# KiCad board MXKeyboard.kicad_pcb (continued)
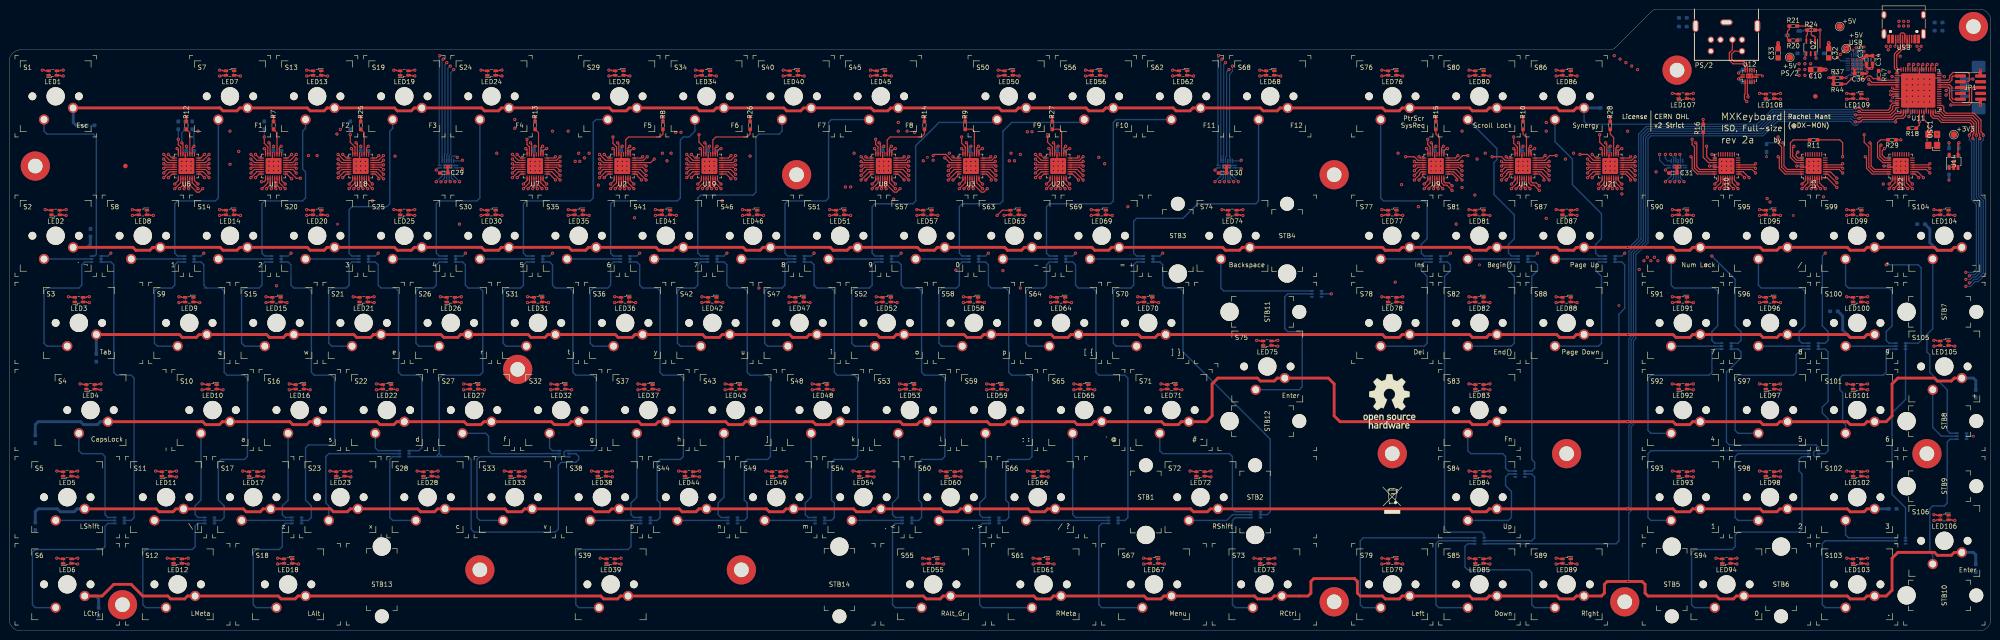
[diagram p0: board, top side]
## Routing (per net, layer and track width the routed paths; a pad name or vN(x,y) marks a point on that pad's centre or on a via; arc(x,y) is an arc through that point) (continued)
  Bottom w0.254: v1(366.01,98.17) 365.24,98.95 U17.11
  Bottom w0.305: v2(429.26,42.55) D37.2 ; D37.2 D37.3 ; D37.2 D37.1
/Column decode/DCOL1: length 509.7
  Top w0.254: U11.62 419.94,112.57 420.5,112.01 421.39,112.01 422.27,111.13 428.37,111.13 428.88,110.62 428.88,109.09 428.37,108.59 v1(428.37,108.33)
  Route6 w0.254: v1(350.77,125.73) 350.77,125.1 351.79,124.08 351.79,114.55 354.58,111.76 360.68,111.76 361.31,111.13 361.31,104.78 v1(360.68,104.14)
  Route10 w0.254: v1(350.77,125.73) 351.28,125.73 351.54,125.98 358.14,125.98 359.66,124.46 359.66,117.22 358.77,116.33 358.77,85.6 359.79,84.58 359.79,82.68 360.3,82.17 v1(360.3,80.9)
  Route12 w0.254: v1(94.11,125.73) 94.36,125.98 264.03,125.98 v1(264.29,125.73) 264.54,125.98 350.01,125.98 350.27,125.73 v1(350.77,125.73) ; v1(360.3,80.9) 360.3,80.39 359.79,79.88 359.79,78.49 360.43,77.85 426.59,77.85 427.1,78.36 v1(427.61,78.36)
  Bottom w0.254: v1(427.61,78.36) 429.26,78.36 429.9,78.99 429.9,93.22 428.88,94.23 428.88,106.81 428.37,107.32 v1(428.37,108.33) ; U15.1 93.98,101.88 93.98,125.6 v1(94.11,125.73) ; U16.1 264.16,101.88 264.16,125.6 v1(264.29,125.73) ; v1(360.68,104.14) 360.68,102.87 361.83,101.72 U17.1
/Column decode/DCOL2: length 503.7
  Top w0.254: U11.63 420.44,112.83 420.75,112.52 421.64,112.52 422.53,111.63 428.62,111.63 429.39,110.87 429.39,108.84 429.13,108.59 v1(429.13,107.57)
  Route6 w0.254: v1(352.04,124.97) 352.42,124.59 352.42,114.81 354.84,112.4 360.93,112.4 361.95,111.38 v1(361.95,104.14)
  Route10 w0.254: v1(352.04,124.97) 352.55,125.48 357.89,125.48 359.16,124.21 359.16,117.48 358.27,116.59 358.27,85.34 359.28,84.33 359.28,82.42 359.54,82.17 v1(359.54,81.66)
  Route12 w0.254: v1(94.87,124.97) 95.38,125.48 263.4,125.48 263.91,124.97 v1(265.05,124.97) 265.56,125.48 349.76,125.48 350.27,124.97 v1(352.04,124.97) ; v1(359.54,81.66) 359.54,80.52 359.28,80.26 359.28,78.23 360.17,77.34 426.97,77.34 427.23,77.6 v1(428.37,77.6)
  Bottom w0.254: v1(428.37,77.6) 428.62,77.85 429.51,77.85 430.4,78.74 430.4,93.47 429.39,94.49 429.39,107.32 v1(429.13,107.57) ; U15.2 94.64,103.49 94.61,103.51 94.61,124.71 v1(94.87,124.97) ; U16.2 264.81,103.49 264.79,103.51 264.79,124.71 v1(265.05,124.97) ; v1(361.95,104.14) 361.95,103.25 362.48,102.72 U17.2
/Column decode/DCOL3: length 501.3
  Top w0.254: U11.64 420.94,113.34 421.13,113.16 421.77,113.16 422.78,112.14 428.88,112.14 429.9,111.13 v1(429.9,108.33)
  Route6 w0.254: v1(353.31,124.21) 353.31,123.7 353.06,123.44 353.06,115.06 355.09,113.03 361.19,113.03 362.58,111.63 362.58,104.65 v1(363.09,104.14)
  Route10 w0.254: v1(358.77,80.9) 358.77,84.07 357.76,85.09 357.76,116.84 358.65,117.73 358.65,123.95 357.63,124.97 353.82,124.97 353.31,124.46 v1(353.31,124.21)
  Route12 w0.254: v1(95.63,124.21) 96.39,124.97 263.14,124.97 263.91,124.21 v1(265.81,124.21) 266.57,124.97 349.5,124.97 350.27,124.21 v1(353.31,124.21) ; v1(358.77,80.9) 358.77,77.98 359.92,76.84 v1(427.61,76.84)
  Bottom w0.254: v1(429.9,108.33) 429.9,94.74 430.91,93.73 430.91,78.49 429.77,77.34 429.13,77.34 428.62,76.84 v1(427.61,76.84) ; U16.3 265.31,103.77 265.43,103.89 265.43,123.83 v1(265.81,124.21) ; v1(363.09,104.14) 363.74,103.49 U17.3 ; v1(95.63,124.21) 95.25,123.83 95.25,104.37 95.14,104.26 U15.3
/Column decode/DCOL4: length 501.3
  Top w0.254: U11.1 421.96,114.36 422.15,114.17 422.15,113.54 423.04,112.65 429.13,112.65 430.4,111.38 430.4,108.84 430.66,108.59 v1(430.66,107.57)
  Route6 w0.254: v1(354.58,123.44) 353.69,122.56 353.69,115.32 355.35,113.67 361.44,113.67 363.22,111.89 363.22,105.03 v1(364.11,104.14)
  Route10 w0.254: v1(354.58,123.44) 354.58,123.95 355.09,124.46 357.38,124.46 358.14,123.7 358.14,117.98 357.25,117.09 357.25,84.84 358.27,83.82 358.27,82.42 358.01,82.17 v1(358.01,81.66)
  Route12 w0.254: v1(96.39,123.44) 97.41,124.46 262.89,124.46 263.91,123.44 v1(267.33,123.44) 268.35,124.46 349.25,124.46 350.27,123.44 v1(354.58,123.44) ; v1(428.37,76.07) 427.23,76.07 426.97,76.33 359.66,76.33 358.27,77.72 358.27,80.26 358.01,80.52 v1(358.01,81.66)
  Bottom w0.254: v1(428.37,76.07) 428.62,76.07 429.39,76.84 430.02,76.84 431.42,78.23 431.42,93.98 430.4,95 430.4,107.32 v1(430.66,107.57) ; v1(364.11,104.14) 364.24,104.01 U17.4 ; v1(267.33,123.44) 267.33,122.3 266.7,121.67 266.7,103.63 266.81,103.52 U16.6 ; v1(96.39,123.44) 95.89,122.94 95.89,104.26 95.64,104.01 U15.4
/Column decode/DCOL5: length 501.9
  Top w0.254: U11.2 422.48,114.86 422.78,114.55 422.78,113.67 423.29,113.16 429.39,113.16 430.91,111.63 430.91,109.09 431.42,108.59 v1(431.42,108.33)
  Route6 w0.254: v1(365.12,104.14) 363.85,105.41 363.85,112.14 361.7,114.3 355.6,114.3 354.33,115.57 354.33,121.16 v1(355.85,122.68)
  Route10 w0.254: v1(357.25,80.9) 357.25,82.12 357.76,82.62 357.76,83.57 356.74,84.58 356.74,117.35 357.63,118.24 357.63,123.44 357.12,123.95 356.36,123.95 355.85,123.44 v1(355.85,122.68)
  Route12 w0.254: v1(97.15,122.68) 98.42,123.95 262.64,123.95 263.91,122.68 v1(266.57,122.68) 267.72,122.68 268.99,123.95 349,123.95 350.27,122.68 v1(355.85,122.68) ; v1(427.61,75.31) 427.1,75.31 426.59,75.82 359.41,75.82 357.76,77.47 357.76,79.88 357.25,80.39 v1(357.25,80.9)
  Bottom w0.254: v1(427.61,75.31) 428.62,75.31 429.64,76.33 430.28,76.33 431.93,77.98 431.93,94.23 430.91,95.25 430.91,106.81 431.42,107.32 v1(431.42,108.33) ; U16.4 265.81,103.51 266.06,103.76 266.06,122.17 v1(266.57,122.68) ; v1(365.12,104.14) 365.24,104.03 U17.6 ; v1(97.15,122.68) 96.52,122.05 96.52,104.14 96.14,103.76 U15.5
/Key matrix/ROW1: length 422.3
  Top w0.254: U11.46 411.65,115.36 411.1,114.81 411.1,114.3 410.59,113.79 405,113.79 404.5,114.3 v1(403.48,114.3)
  Top w0.635: S86.1 342.52,114.3 341.88,113.67 338.84,113.67 338.2,114.3 S80.1 323.47,114.3 322.83,113.67 319.79,113.67 319.15,114.3 S76.1 304.42,114.3 303.78,113.67 300.74,113.67 300.1,114.3 S68.1 277.75,114.3 277.11,113.67 274.07,113.67 273.43,114.3 S62.1 258.7,114.3 258.06,113.67 255.02,113.67 254.38,114.3 S56.1 239.65,114.3 239.01,113.67 235.97,113.67 235.33,114.3 S50.1 220.6,114.3 219.96,113.67 216.92,113.67 216.28,114.3 S45.1 192.66,114.3 192.02,113.67 188.98,113.67 188.34,114.3 S40.1 173.61,114.3 172.97,113.67 169.93,113.67 169.29,114.3 S34.1 154.56,114.3 153.92,113.67 150.88,113.67 150.24,114.3 S29.1 135.51,114.3 134.87,113.67 131.83,113.67 131.19,114.3 S24.1 107.57,114.3 106.93,113.67 103.89,113.67 103.25,114.3 S19.1 88.52,114.3 87.88,113.67 84.84,113.67 84.2,114.3 S13.1 69.47,114.3 68.83,113.67 65.79,113.67 65.15,114.3 S7.1 50.42,114.3 49.78,113.67 46.74,113.67 46.1,114.3 S1.1
  Bottom w0.254: v1(403.48,114.3) 403.22,114.3 402.84,113.92 385.19,113.92 382.02,110.74 344.81,110.74 344.17,111.38 S86.1
  Bottom w0.635: R1.2 14.64,110.49 14,111.13 14,114.3 ; S86.1 R30.1
/Key matrix/ROW2: length 527
  Top w0.254: U11.47 411.91,114.86 411.61,114.55 411.61,114.05 410.84,113.28 404.75,113.28 404.5,113.54 v1(404.24,113.54)
  Top w0.635: S2.1 27.05,83.82 27.69,83.19 30.73,83.19 31.37,83.82 S8.1 46.1,83.82 46.74,83.19 49.78,83.19 50.42,83.82 S14.1 65.15,83.82 65.79,83.19 68.83,83.19 69.47,83.82 S20.1 84.2,83.82 84.84,83.19 87.88,83.19 88.52,83.82 S25.1 103.25,83.82 103.89,83.19 106.93,83.19 107.57,83.82 S30.1 122.3,83.82 122.94,83.19 125.98,83.19 126.62,83.82 S35.1 141.35,83.82 141.99,83.19 145.03,83.19 145.67,83.82 S41.1 160.4,83.82 161.04,83.19 164.08,83.19 164.72,83.82 S46.1 179.45,83.82 180.09,83.19 183.13,83.19 183.77,83.82 S51.1 198.5,83.82 199.14,83.19 202.18,83.19 202.82,83.82 S57.1 217.55,83.82 218.19,83.19 221.23,83.19 221.87,83.82 S63.1 236.6,83.82 237.24,83.19 240.28,83.19 240.92,83.82 S69.1 265.18,83.82 265.81,83.19 268.86,83.19 269.49,83.82 S74.1 300.1,83.82 300.74,83.19 303.78,83.19 304.42,83.82 S77.1 319.15,83.82 319.79,83.19 322.83,83.19 323.47,83.82 S81.1 338.2,83.82 338.84,83.19 341.88,83.19 342.52,83.82 S87.1 v1(353.69,83.82) 363.6,83.82 364.24,83.19 367.28,83.19 367.92,83.82 S90.1 382.65,83.82 383.29,83.19 386.33,83.19 386.97,83.82 S95.1 401.7,83.82 402.34,83.19 405.38,83.19 406.02,83.82 S99.1 420.75,83.82 421.39,83.19 424.43,83.19 425.07,83.82 S104.1
  Bottom w0.254: v1(353.69,83.82) 354.08,83.82 356.11,85.85 356.11,108.59 357.76,110.24 382.27,110.24 385.44,113.41 403.1,113.41 403.22,113.54 v1(404.24,113.54)
  Bottom w0.635: 17.75,86.15 17.75,84.46 17.11,83.82 ; R31.1 419.73,87.85 419.73,84.84 421.39,83.19 424.43,83.19 425.07,83.82 S104.1 ; S2.1 17.14,83.82
/Key matrix/ROW3: length 518.3
  Top w0.254: U11.48 412.43,114.36 412.24,114.17 412.24,113.92 411.1,112.78 v1(403.48,112.78)
  Top w0.635: S3.1 37.21,64.77 37.85,64.14 40.89,64.14 41.53,64.77 S9.1 56.26,64.77 56.9,64.14 59.94,64.14 60.58,64.77 S15.1 75.31,64.77 75.95,64.14 78.99,64.14 79.63,64.77 S21.1 94.36,64.77 95,64.14 98.04,64.14 98.68,64.77 S26.1 113.41,64.77 114.05,64.14 117.09,64.14 117.73,64.77 S31.1 132.46,64.77 133.1,64.14 136.14,64.14 136.78,64.77 S36.1 151.51,64.77 152.15,64.14 155.19,64.14 155.83,64.77 S42.1 170.56,64.77 171.2,64.14 174.24,64.14 174.88,64.77 S47.1 189.61,64.77 190.25,64.14 193.29,64.14 193.93,64.77 S52.1 208.66,64.77 209.3,64.14 212.34,64.14 212.98,64.77 S58.1 227.71,64.77 228.35,64.14 231.39,64.14 232.03,64.77 S64.1 246.76,64.77 247.4,64.14 250.44,64.14 251.08,64.77 S70.1 300.1,64.77 300.74,64.14 303.78,64.14 304.42,64.77 S78.1 319.15,64.77 319.79,64.14 322.83,64.14 323.47,64.77 S82.1 338.2,64.77 338.84,64.14 341.88,64.14 342.52,64.77 S88.1 v1(353.69,64.77) 363.6,64.77 364.24,64.14 367.28,64.14 367.92,64.77 S91.1 382.65,64.77 383.29,64.14 386.33,64.14 386.97,64.77 S96.1 401.7,64.77 402.34,64.14 405.38,64.14 406.02,64.77 S100.1
  Bottom w0.254: v1(353.69,64.77) 353.95,65.02 353.95,82.93 356.62,85.6 356.62,108.33 358.01,109.73 382.52,109.73 385.7,112.9 403.1,112.9 403.22,112.78 v1(403.48,112.78)
  Bottom w0.635: R3.2 S3.1 ; S100.1 406.02,64.77 405.38,64.14 402.34,64.14 400.69,65.79 400.69,68.8 R32.1
/Key matrix/ROW4: length 585.8
  Top w0.254: U11.49 413.44,113.34 413.26,113.16 412.24,113.16 411.35,112.27 404.75,112.27 404.5,112.01 v1(404.24,112.01)
  Top w0.635: S4.1 42.29,45.72 42.93,45.09 45.97,45.09 46.61,45.72 S10.1 61.34,45.72 61.98,45.09 65.02,45.09 65.66,45.72 S16.1 80.39,45.72 81.03,45.09 84.07,45.09 84.71,45.72 S22.1 99.44,45.72 100.08,45.09 103.12,45.09 103.76,45.72 S27.1 118.49,45.72 119.13,45.09 122.17,45.09 122.81,45.72 S32.1 137.54,45.72 138.18,45.09 141.22,45.09 141.86,45.72 S37.1 156.59,45.72 157.23,45.09 160.27,45.09 160.91,45.72 S43.1 175.64,45.72 176.28,45.09 179.32,45.09 179.96,45.72 S48.1 194.69,45.72 195.33,45.09 198.37,45.09 199.01,45.72 S53.1 213.74,45.72 214.38,45.09 217.42,45.09 218.06,45.72 S59.1 232.79,45.72 233.43,45.09 236.47,45.09 237.11,45.72 S65.1 251.84,45.72 252.48,45.09 255.52,45.09 256.16,45.72 S71.1 261.62,45.72 262.89,46.99 262.89,53.98 264.16,55.25 272.8,55.25 273.43,54.61 276.48,54.61 277.11,55.25 S75.1 288.29,55.25 289.56,53.98 289.56,46.99 290.83,45.72 319.15,45.72 319.79,45.09 322.83,45.09 323.47,45.72 S83.1 v1(353.69,45.72) 363.6,45.72 364.24,45.09 367.28,45.09 367.92,45.72 S92.1 382.65,45.72 383.29,45.09 386.33,45.09 386.97,45.72 S97.1 401.7,45.72 402.34,45.09 405.38,45.09 406.02,45.72 S101.1 410.21,45.72 411.48,46.99 411.48,53.98 412.75,55.25 420.75,55.25 421.39,54.61 424.43,54.61 425.07,55.25 S105.1
  Bottom w0.254: v1(353.69,45.72) 353.95,45.97 353.95,63.88 354.46,64.39 354.46,82.68 357.12,85.34 357.12,108.08 358.27,109.22 382.78,109.22 385.95,112.4 402.84,112.4 403.22,112.01 v1(404.24,112.01)
  Bottom w0.635: R33.1 429.77,54.74 429.26,55.25 S105.1 ; S4.1 19.94,45.72 19.3,45.09 16.26,45.09 15.62,45.72 6.35,45.72 5.72,45.09 R4.2
/Key matrix/ROW5: length 559
  Top w0.254: U11.50 413.94,112.83 413.64,112.52 412.37,112.52 411.61,111.76 405,111.76 404.5,111.25 v1(403.48,111.25)
  Top w0.635: S5.1 32.13,26.67 32.77,26.04 35.81,26.04 36.45,26.67 S11.1 51.18,26.67 51.82,26.04 54.86,26.04 55.5,26.67 S17.1 70.23,26.67 70.87,26.04 73.91,26.04 74.55,26.67 S23.1 89.28,26.67 89.92,26.04 92.96,26.04 93.6,26.67 S28.1 108.33,26.67 108.97,26.04 112.01,26.04 112.65,26.67 S33.1 127.38,26.67 128.02,26.04 131.06,26.04 131.7,26.67 S38.1 146.43,26.67 147.07,26.04 150.11,26.04 150.75,26.67 S44.1 165.48,26.67 166.12,26.04 169.16,26.04 169.8,26.67 S49.1 184.53,26.67 185.17,26.04 188.21,26.04 188.85,26.67 S54.1 203.58,26.67 204.22,26.04 207.26,26.04 207.9,26.67 S60.1 222.63,26.67 223.27,26.04 226.31,26.04 226.95,26.67 S66.1 258.19,26.67 258.83,26.04 261.87,26.04 262.51,26.67 S72.1 319.15,26.67 319.79,26.04 322.83,26.04 323.47,26.67 S84.1 v1(353.69,26.67) 363.6,26.67 364.24,26.04 367.28,26.04 367.92,26.67 S93.1 382.65,26.67 383.29,26.04 386.33,26.04 386.97,26.67 S98.1 401.7,26.67 402.34,26.04 405.38,26.04 406.02,26.67 S102.1
  Bottom w0.254: v1(403.48,111.25) 403.22,111.25 402.59,111.89 386.21,111.89 383.03,108.71 358.52,108.71 357.63,107.82 357.63,85.09 354.96,82.42 354.96,64.14 354.46,63.63 354.46,45.34 353.95,44.83 353.95,26.92 v1(353.69,26.67)
  Bottom w0.635: R5.2 5.72,26.04 6.35,26.67 10.54,26.67 11.18,26.04 14.22,26.04 14.86,26.67 S5.1 ; S102.1 R34.1
/Key matrix/ROW6: length 607.7
  Top w0.254: v1(412.24,111.25) 412.24,111.63 412.62,112.01 413.89,112.01 414.44,112.57 U11.51
  Top w0.635: S6.1 20.32,7.62 22.86,10.16 26.67,10.16 29.21,7.62 34.67,7.62 35.31,6.99 38.35,6.99 38.99,7.62 S12.1 58.8,7.62 59.44,6.99 62.48,6.99 63.12,7.62 S18.1 129.29,7.62 129.92,6.99 132.97,6.99 133.6,7.62 S39.1 199.77,7.62 200.41,6.99 203.45,6.99 204.09,7.62 S55.1 223.9,7.62 224.54,6.99 227.58,6.99 228.22,7.62 S61.1 248.03,7.62 248.67,6.99 251.71,6.99 252.35,7.62 S67.1 272.16,7.62 272.8,6.99 275.84,6.99 276.48,7.62 S73.1 283.84,7.62 284.48,8.25 284.48,10.8 285.12,11.43 294,11.43 294.64,10.8 294.64,8.25 295.27,7.62 300.1,7.62 300.74,6.99 303.78,6.99 304.42,7.62 S79.1 319.15,7.62 319.79,6.99 322.83,6.99 323.47,7.62 S85.1 338.2,7.62 338.84,6.99 341.88,6.99 342.52,7.62 S89.1 347.98,7.62 348.62,8.25 348.62,10.16 349.25,10.8 v1(353.69,10.8) 356.87,10.8 357.5,10.16 357.5,8.25 358.14,7.62 373.13,7.62 373.76,6.99 376.81,6.99 377.44,7.62 S94.1 401.7,7.62 402.34,6.99 405.38,6.99 406.02,7.62 S103.1 410.21,7.62 411.48,8.89 411.48,15.88 412.75,17.15 420.75,17.15 421.39,16.51 424.43,16.51 425.07,17.15 S106.1
  Bottom w0.254: v1(353.69,10.8) 353.95,11.05 353.95,25.78 354.46,26.29 354.46,44.58 354.96,45.09 354.96,63.37 355.47,63.88 355.47,82.17 358.14,84.84 358.14,107.57 358.77,108.2 383.29,108.2 386.46,111.38 402.34,111.38 403.22,110.49 403.73,110.49 404.5,111.25 v1(412.24,111.25)
  Bottom w0.635: R6.2 19.56,6.99 18.92,7.62 S6.1 ; S106.1 429.26,17.15 429.77,16.64 R35.1
/LEDs + Drivers/BLANK: length 452.9
  Top w0.254: v1(406.65,106.68) 406.91,106.43 406.91,101.6 407.66,100.85 U22.30 ; v1(387.6,106.68) 387.86,106.43 387.86,101.6 388.61,100.85 U5.30 ; v1(368.55,106.68) 368.81,106.43 368.81,101.47 369.43,100.85 U10.30 ; v1(348.87,106.68) 349.13,106.41 U21.30 ; v1(228.22,106.68) 228.48,106.41 U20.30 ; v1(152.02,106.68) 152.29,106.41 U19.30 ; v1(75.82,106.68) 76.08,106.41 U18.30 ; v1(37.72,106.68) 37.98,106.41 U6.30 ; v1(56.77,106.68) 57.04,106.41 U1.30 ; v1(113.92,106.68) 114.18,106.41 U7.30 ; v1(132.97,106.68) 133.24,106.41 U2.30 ; v1(190.12,106.68) 190.38,106.41 U8.30 ; v1(209.17,106.68) 209.44,106.41 U3.30 ; v1(310.77,106.68) 311.03,106.41 U9.30 ; v1(329.82,106.68) 330.08,106.41 U4.30 ; U11.40 411.87,118.36 v2(411.54,118.68)
  Route4 w0.254: v1(406.65,106.68) 407.67,106.68 408.31,107.32 408.31,117.48 409.57,118.68 v2(411.54,118.68)
  Route12 w0.254: v1(37.72,106.68) v1(56.77,106.68) v1(75.82,106.68) v1(113.92,106.68) v1(132.97,106.68) v1(152.02,106.68) v1(190.12,106.68) v1(209.17,106.68) v1(228.22,106.68) v1(310.77,106.68) v1(329.82,106.68) v1(348.87,106.68) v1(368.55,106.68) v1(387.6,106.68) v1(406.65,106.68)
  Bottom w0.254: v1(37.72,106.68) 37.72,108.88 R42.2 ; v1(387.6,106.68) 384.34,106.68 R38.1
/LEDs + Drivers/COPI_BLUE: length 82.2
  Top w0.254: U11.23 417.94,123.56 v1(418.21,123.83) ; v1(367.54,103.63) 367.79,103.38 367.79,100.97 368.91,99.85 U10.32
  Route12 w0.254: v1(418.21,123.83) 418.21,123.95 417.58,124.59 414.78,124.59 413.77,123.57 410.46,123.57 409.45,122.56 409.45,106.93 410.72,105.66 410.72,105.16 410.21,104.65 409.57,104.65 409.32,104.9 392.18,104.9 391.16,103.89 390.65,103.89 390.4,104.14 389.13,104.14 388.87,104.39 373.38,104.39 372.36,103.38 371.86,103.38 371.6,103.63 369.82,103.63 369.57,103.89 367.79,103.89 v1(367.54,103.63)
/LEDs + Drivers/COPI_GREEN: length 64.1
  Top w0.254: v1(420.24,123.83) 419.94,123.53 U11.19 ; v1(386.59,103.63) 386.84,103.38 386.84,101.09 388.08,99.85 U5.32
  Route12 w0.254: v1(386.59,103.63) 386.84,103.89 388.62,103.89 388.87,103.63 390.14,103.63 390.4,103.38 391.41,103.38 392.43,104.39 409.07,104.39 409.32,104.14 410.46,104.14 411.23,104.9 411.23,105.92 409.96,107.19 409.96,122.3 410.72,123.06 419.61,123.06 420.24,123.7 v1(420.24,123.83)
/LEDs + Drivers/COPI_RED: length 39.6
  Top w0.254: v1(415.16,123.83) 414.94,123.61 U11.29 ; v1(405.64,103.63) 405.89,103.38 405.89,101.09 407.13,99.85 U22.32
  Route10 w0.254: v1(415.16,123.83) 415.16,123.19 414.53,122.56 411.23,122.56 v1(410.84,122.17)
  Route12 w0.254: v1(405.64,103.63) 405.89,103.89 408.81,103.89 409.07,103.63 410.72,103.63 411.73,104.65 411.73,106.17 410.46,107.44 410.46,121.79 v1(410.84,122.17)
/LEDs + Drivers/RED1: length 93.3
  Top w0.254: v1(72.9,104.14) 73.69,103.35 U18.1 ; LED1.4 7.88,122.42 7.75,122.56 v1(7.24,122.56)
  Route6 w0.254: v1(7.24,122.56) 8.51,123.83 75.56,123.83 76.2,123.19 76.2,113.67 73.66,111.13 73.66,104.9 v1(72.9,104.14)
/LEDs + Drivers/RED2: length 73.4
  Top w0.254: v1(71.88,104.14) 73.17,102.85 U18.2 ; v1(7.87,92.08) 8.38,92.08 8.52,91.94 LED2.4
  Route6 w0.254: v1(7.87,92.08) 9.14,93.35 22.22,93.35 24.77,95.89 61.98,95.89 70.23,104.14 v1(71.88,104.14)
/LEDs + Drivers/RED3: length 83.9
  Top w0.254: v1(71.88,103.12) 72.66,102.35 U18.3 ; LED3.4 13.6,72.89 13.46,73.03 v1(12.95,73.03)
  Route6 w0.254: v1(71.88,103.12) 70.23,103.12 62.36,95.25 25.15,95.25 19.05,89.15 19.05,74.93 18.41,74.3 14.22,74.3 v1(12.95,73.03)
/LEDs + Drivers/RED4: length 105.2
  Top w0.254: v1(71.88,102.11) 72.14,101.85 U18.4 ; LED4.4 16.14,53.84 16,53.98 v1(15.49,53.98)
  Route6 w0.254: v1(15.49,53.98) 16.76,55.25 22.22,55.25 22.86,55.88 22.86,74.93 22.22,75.57 20.32,75.57 19.69,76.2 19.69,88.77 25.53,94.62 62.74,94.62 70.23,102.11 v1(71.88,102.11)
/LEDs + Drivers/RED5: length 133
  Top w0.254: v1(71.88,101.09) 72.14,101.35 U18.5 ; v1(10.41,34.93) 10.92,34.93 11.06,34.79 LED5.4
  Route6 w0.254: v1(10.41,34.93) 11.68,36.2 25.4,36.2 26.03,36.83 26.03,54.61 25.4,55.25 24.13,55.25 23.49,55.88 23.49,75.57 22.86,76.2 20.95,76.2 20.32,76.84 20.32,88.39 25.91,93.98 63.12,93.98 70.23,101.09 v1(71.88,101.09)
/LEDs + Drivers/RED6: length 151.6
  Top w0.254: v1(71.88,100.08) 72.66,100.85 U18.6 ; v1(10.41,15.88) 10.92,15.88 11.06,15.74 LED6.4
  Route6 w0.254: v1(71.88,100.08) 70.23,100.08 63.5,93.35 26.29,93.35 20.95,88.01 20.95,77.47 21.59,76.84 23.49,76.84 24.13,76.2 24.13,56.52 24.77,55.88 26.03,55.88 26.67,55.25 26.67,17.78 26.03,17.15 11.68,17.15 v1(10.41,15.88)
/LEDs + Drivers/RED7: length 47.7
  Top w0.254: v1(71.88,99.06) 73.17,100.35 U18.7 ; v1(50.55,121.29) 50.04,121.29 49.9,121.42 LED7.4
  Route4 w0.254: v1(71.63,108.59) 70.48,107.44 70.48,99.7 71.12,99.06 v1(71.88,99.06)
  Route6 w0.254: v1(71.63,108.59) 70.36,109.86 56.52,109.86 55.88,110.49 55.88,120.65 55.24,121.29 v1(50.55,121.29)
/LEDs + Drivers/RED8: length 49
  Top w0.254: v1(72.9,99.06) 73.69,99.85 U18.8 ; LED8.4 30.85,90.94 30.99,90.81 v1(31.5,90.81)
  Route6 w0.254: v1(72.9,99.06) 72.14,98.3 69.47,98.3 63.88,92.71 54.61,92.71 51.43,89.54 32.77,89.54 v1(31.5,90.81)
/LEDs + Drivers/RED9: length 65.7
  Top w0.254: v1(74.3,97.66) 75.08,98.45 U18.9 ; v1(41.66,71.76) 41.15,71.76 41.01,71.89 LED9.4
  Route6 w0.254: v1(41.66,71.76) 40,71.76 39.37,72.39 39.37,83.19 40,83.82 46.36,83.82 48.89,81.28 59.05,81.28 59.69,81.92 59.69,87.5 61.72,89.54 66.67,89.54 67.31,90.17 67.31,95.12 69.85,97.66 v1(74.3,97.66)
/LEDs + Drivers/RED10: length 76.7
  Top w0.254: v1(74.3,96.65) 75.58,97.94 U18.10 ; v1(46.74,52.71) 46.23,52.71 46.09,52.84 LED10.4
  Route6 w0.254: v1(46.74,52.71) 45.72,53.72 45.72,55.25 46.99,56.52 46.99,78.11 47.62,78.74 74.3,78.74 74.93,79.38 74.93,96.01 v1(74.3,96.65)
/LEDs + Drivers/RED11: length 111.4
  Top w0.254: v1(75.31,96.65) 76.08,97.42 U18.11 ; v1(32,34.93) 32.51,34.93 32.65,34.79 LED11.4
  Route6 w0.254: v1(75.31,96.65) 75.56,96.39 75.56,78.74 74.93,78.11 48.26,78.11 47.62,77.47 47.62,56.52 48.26,55.88 51.43,55.88 52.07,55.25 52.07,44.45 43.81,36.2 33.27,36.2 v1(32,34.93)
/LEDs + Drivers/RED12: length 128.6
  Top w0.254: v1(76.33,96.65) 76.58,96.91 U18.12 ; LED12.4 35.19,15.74 35.05,15.88 v1(34.54,15.88)
  Route6 w0.254: v1(34.54,15.88) 35.81,17.15 45.08,17.15 45.72,17.78 45.72,36.83 52.7,43.82 52.7,55.88 52.07,56.52 48.89,56.52 48.26,57.15 48.26,76.84 48.89,77.47 75.56,77.47 76.2,78.11 76.2,96.52 v1(76.33,96.65)
/LEDs + Drivers/RED13: length 45.9
  Top w0.254: v1(77.34,96.65) 77.08,96.91 U18.13 ; v1(69.6,121.29) 69.09,121.29 68.95,121.42 LED13.4
  Route4 w0.254: v1(72.39,109.6) 72.14,109.86 71.12,109.86 69.21,107.95 69.21,96.52 69.85,95.89 76.58,95.89 v1(77.34,96.65)
  Route6 w0.254: v1(69.6,121.29) 74.3,121.29 74.93,120.65 74.93,114.3 72.39,111.76 v1(72.39,109.6)
/LEDs + Drivers/RED14: length 65.7
  Top w0.254: v1(78.36,96.65) 77.58,97.42 U18.14 ; LED14.4 49.9,90.94 50.04,90.81 v1(50.55,90.81)
  Route6 w0.254: v1(58.42,75.44) 59.82,76.84 76.2,76.84 76.83,77.47 76.83,95.12 v1(78.36,96.65)
  Route12 w0.254: v1(58.42,75.44) 57.79,76.07 57.79,90.17 57.15,90.81 v1(50.55,90.81)
/LEDs + Drivers/RED15: length 45.7
  Top w0.254: v1(79.37,96.65) 78.08,97.94 U18.15 ; LED15.4 60.06,71.89 60.2,71.76 v1(60.71,71.76)
  Route6 w0.254: v1(60.71,71.76) 66.67,71.76 67.31,72.39 67.31,75.57 67.95,76.2 76.83,76.2 77.47,76.84 77.47,94.74 v1(79.37,96.65)
/LEDs + Drivers/RED16: length 60.5
  Top w0.254: v1(79.37,97.66) 78.58,98.45 U18.16 ; v1(65.79,52.71) 65.28,52.71 65.14,52.84 LED16.4
  Route6 w0.254: v1(79.37,97.66) 80.14,96.9 80.14,96.27 78.11,94.23 78.11,76.2 77.47,75.57 68.58,75.57 67.95,74.93 67.95,53.34 67.31,52.71 v1(65.79,52.71)
/LEDs + Drivers/RED17: length 114.9
  Top w0.254: U18.17 79.98,99.85 80.77,99.06 v1(80.77,98.81) ; LED17.4 51.7,34.79 51.56,34.93 v1(51.05,34.93)
  Route6 w0.254: v1(80.77,98.81) 81.53,98.04 84.84,98.04 93.98,88.9 93.98,78.11 93.34,77.47 79.37,77.47 78.74,76.84 78.74,75.57 78.11,74.93 69.21,74.93 68.58,74.3 68.58,53.34 69.21,52.71 70.48,52.71 71.12,52.07 71.12,44.45 62.86,36.2 52.32,36.2 v1(51.05,34.93)
/LEDs + Drivers/RED18: length 125.7
  Top w0.254: v1(81.79,98.81) 80.24,100.35 U18.18 ; v1(63.25,14.61) 62.74,14.61 62.6,14.74 LED18.4
  Route6 w0.254: v1(63.25,14.61) 64.14,14.61 64.77,15.24 64.77,36.83 71.76,43.82 71.76,52.71 71.12,53.34 69.85,53.34 69.21,53.98 69.21,73.66 69.85,74.3 78.74,74.3 79.37,74.93 79.37,76.2 80.01,76.84 93.98,76.84 94.61,77.47 94.61,89.28 85.09,98.81 v1(81.79,98.81)
/LEDs + Drivers/RED19: length 41.7
  Top w0.254: v1(81.79,99.82) 80.76,100.85 U18.19 ; v1(84.07,122.56) 84.58,122.56 84.72,122.42 LED19.4
  Route4 w0.254: v1(84.33,103.76) 83.06,102.49 83.06,100.33 82.55,99.82 v1(81.79,99.82)
  Route6 w0.254: v1(84.33,103.76) 93.98,113.41 93.98,119.38 93.34,120.02 84.71,120.02 84.07,120.65 v1(84.07,122.56)
/LEDs + Drivers/RED20: length 24.2
  Top w0.254: v1(81.79,100.84) 81.28,101.35 U18.20 ; LED20.4 68.95,90.94 69.09,90.81 v1(69.6,90.81)
  Route4 w0.254: v1(79.37,93.98) 80.64,95.25 80.64,97.54 80.01,98.17 80.01,100.2 80.64,100.84 v1(81.79,100.84)
  Route12 w0.254: v1(69.6,90.81) 72.14,93.35 78.74,93.35 v1(79.37,93.98)
/LEDs + Drivers/RED21: length 62.3
  Top w0.254: v1(81.79,101.85) 81.78,101.85 U18.21 ; LED21.4 75.83,72.89 75.69,73.03 v1(75.18,73.03)
  Route6 w0.254: v1(81.79,101.85) 83.06,101.85 95.25,89.66 95.25,76.84 94.61,76.2 85.73,76.2 85.09,75.57 85.09,71.12 84.45,70.49 78.11,70.49 77.47,71.12 77.47,72.39 76.83,73.03 v1(75.18,73.03)
/LEDs + Drivers/RED22: length 70.6
  Top w0.254: v1(81.79,102.87) 81.27,102.35 U18.22 ; v1(84.84,52.71) 84.33,52.71 84.19,52.84 LED22.4
  Route6 w0.254: v1(81.79,102.87) 83.06,102.87 95.89,90.04 95.89,76.2 95.25,75.57 86.36,75.57 85.73,74.93 85.73,53.59 v1(84.84,52.71)
/LEDs + Drivers/RED23: length 107
  Top w0.254: v1(81.79,103.89) 80.75,102.85 U18.23 ; LED23.4 70.75,34.79 70.61,34.93 v1(70.1,34.93)
  Route6 w0.254: v1(70.1,34.93) 71.37,36.2 81.92,36.2 90.17,44.45 90.17,55.25 89.54,55.88 86.99,55.88 86.36,56.52 86.36,74.3 86.99,74.93 95.89,74.93 96.52,75.57 96.52,90.42 83.06,103.89 v1(81.79,103.89)
/LEDs + Drivers/RED24: length 49.4
  Top w0.254: v1(80.77,103.89) 80.24,103.35 U18.24 ; v1(103.12,122.56) 103.63,122.56 103.77,122.42 LED24.4
  Route6 w0.254: v1(103.12,122.56) 102.23,122.56 100.96,121.29 95.89,121.29 93.34,123.83 79.37,123.83 78.74,123.19 78.74,110.62 80.77,108.59 v1(80.77,103.89)
/LEDs + Drivers/RED25: length 79.4
  Top w0.254: v1(149.1,104.14) 149.89,103.35 U19.1 ; v1(84.07,92.08) 84.58,92.08 84.72,91.94 LED25.4
  Route6 w0.254: v1(149.1,104.14) 148.34,104.9 147.19,104.9 131.83,89.54 99.06,89.54 v1(98.42,88.9)
  Route10 w0.254: v1(84.07,92.08) 85.34,93.35 97.15,93.35 97.79,92.71 97.79,89.54 v1(98.42,88.9)
